# KiCad board access-controller.kicad_pcb (continued)
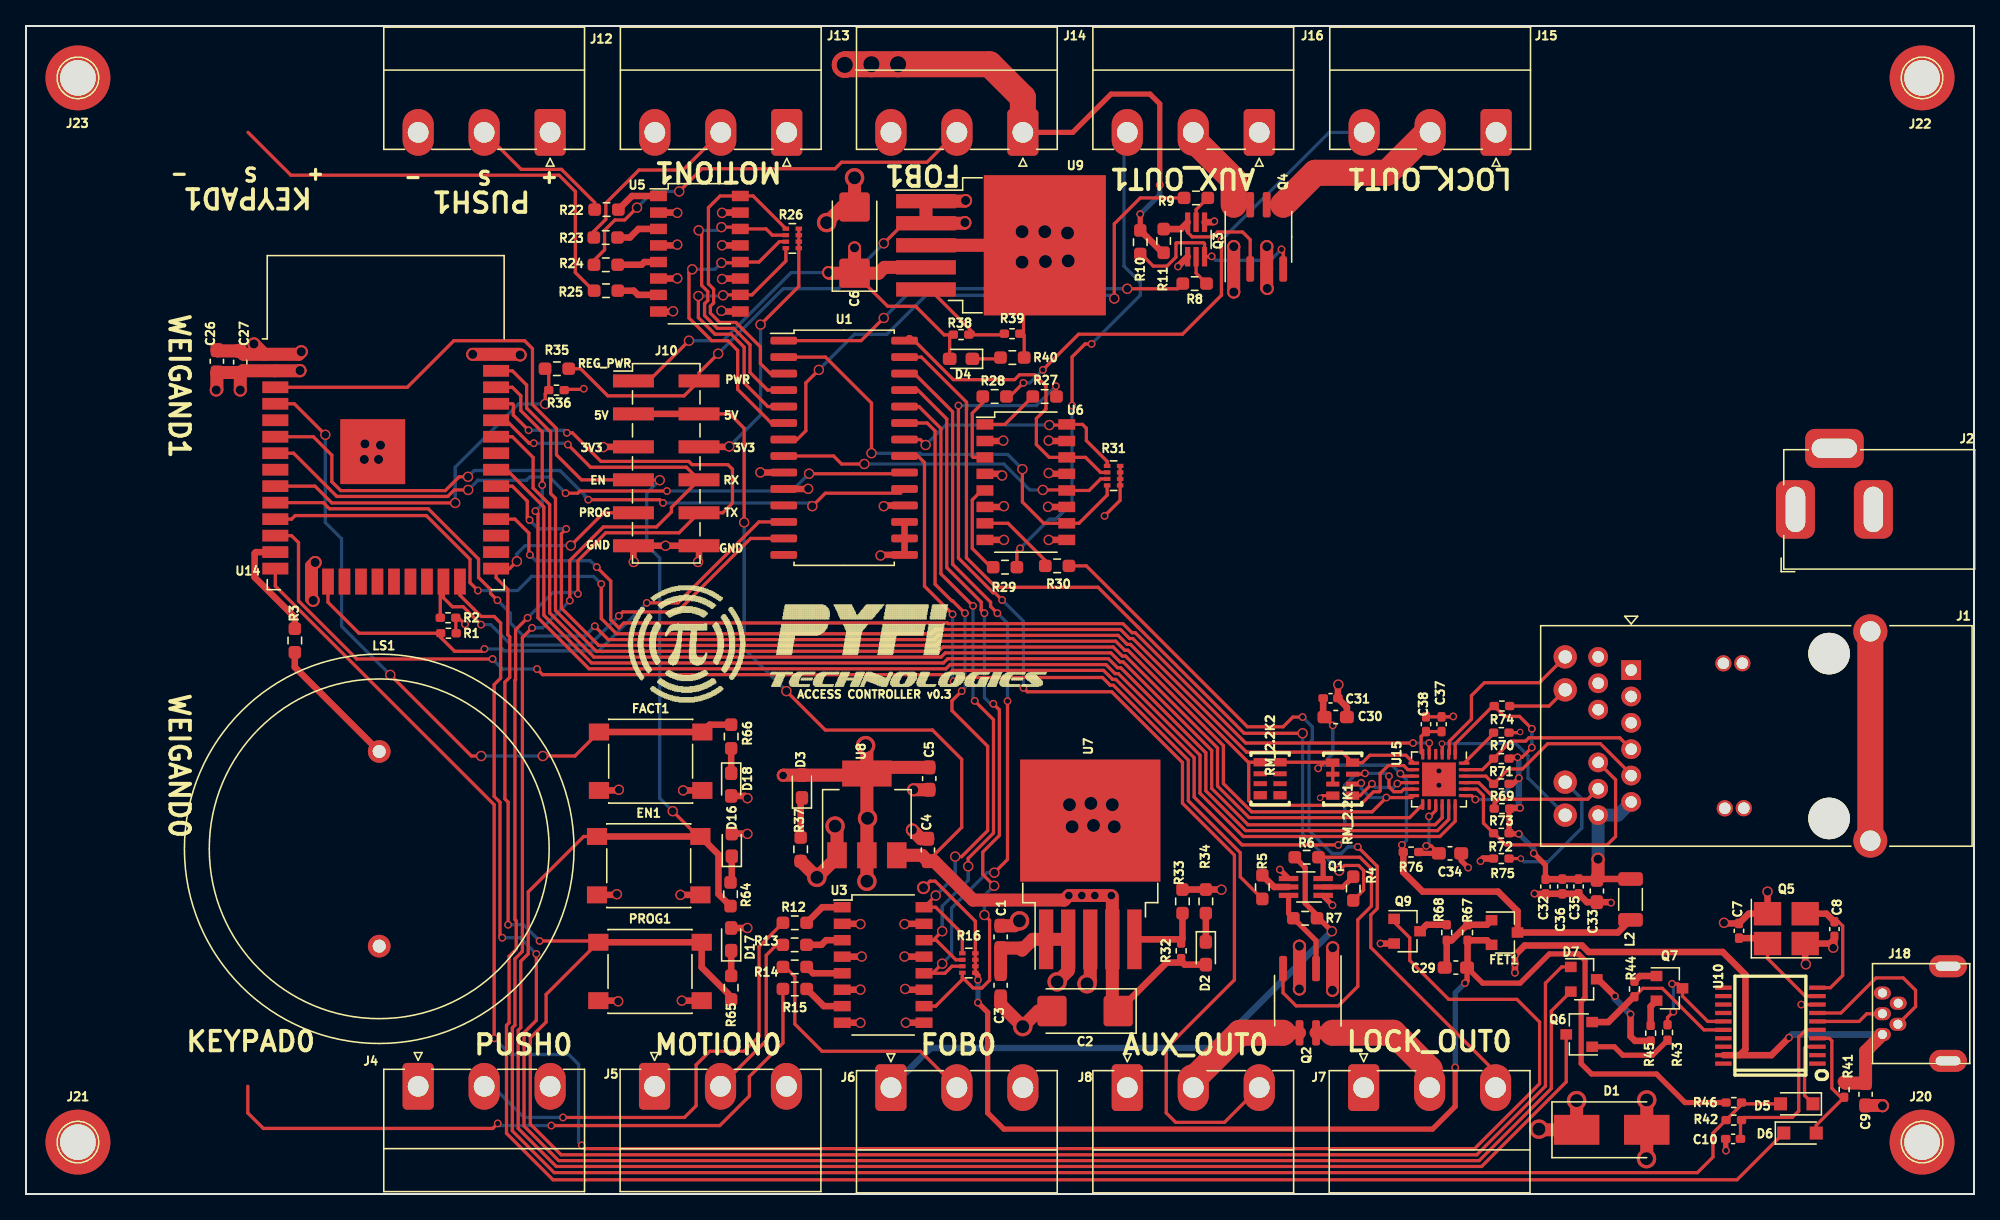
[diagram p0: board, top side]
## Text on the board (continued)
F.Silkscreen: ACCESS CONTROLLER v0.3 | 3V3 | PROG | EN | GND | 5V | REG_PWR | RX | TX | PWR | S | - | + | KEYPAD0 | PUSH0 | MOTION0 | FOB0 | AUX_OUT0 | LOCK_OUT0 | KEYPAD1 | PUSH1 | MOTION1 | FOB1 | AUX_OUT1 | LOCK_OUT1 | WEIGAND1 | WEIGAND0
